# Altium PCB PCB.PcbDoc (part 2 of 4)
Units mm, origin at the board's own origin, x right, y up, seen from the top; angles counter-clockwise.
Board outline 133.1 x 64.1 mm, 6 copper layers (Top Layer, L02_GND1, L03_PWR1, L04_PWR2, L05_GND2, Bottom Layer), stack 2.464 mm thick; 271 components, 175 nets, 879 pads, 570 vias.
Unrouted connection lines stored in the file: 34.
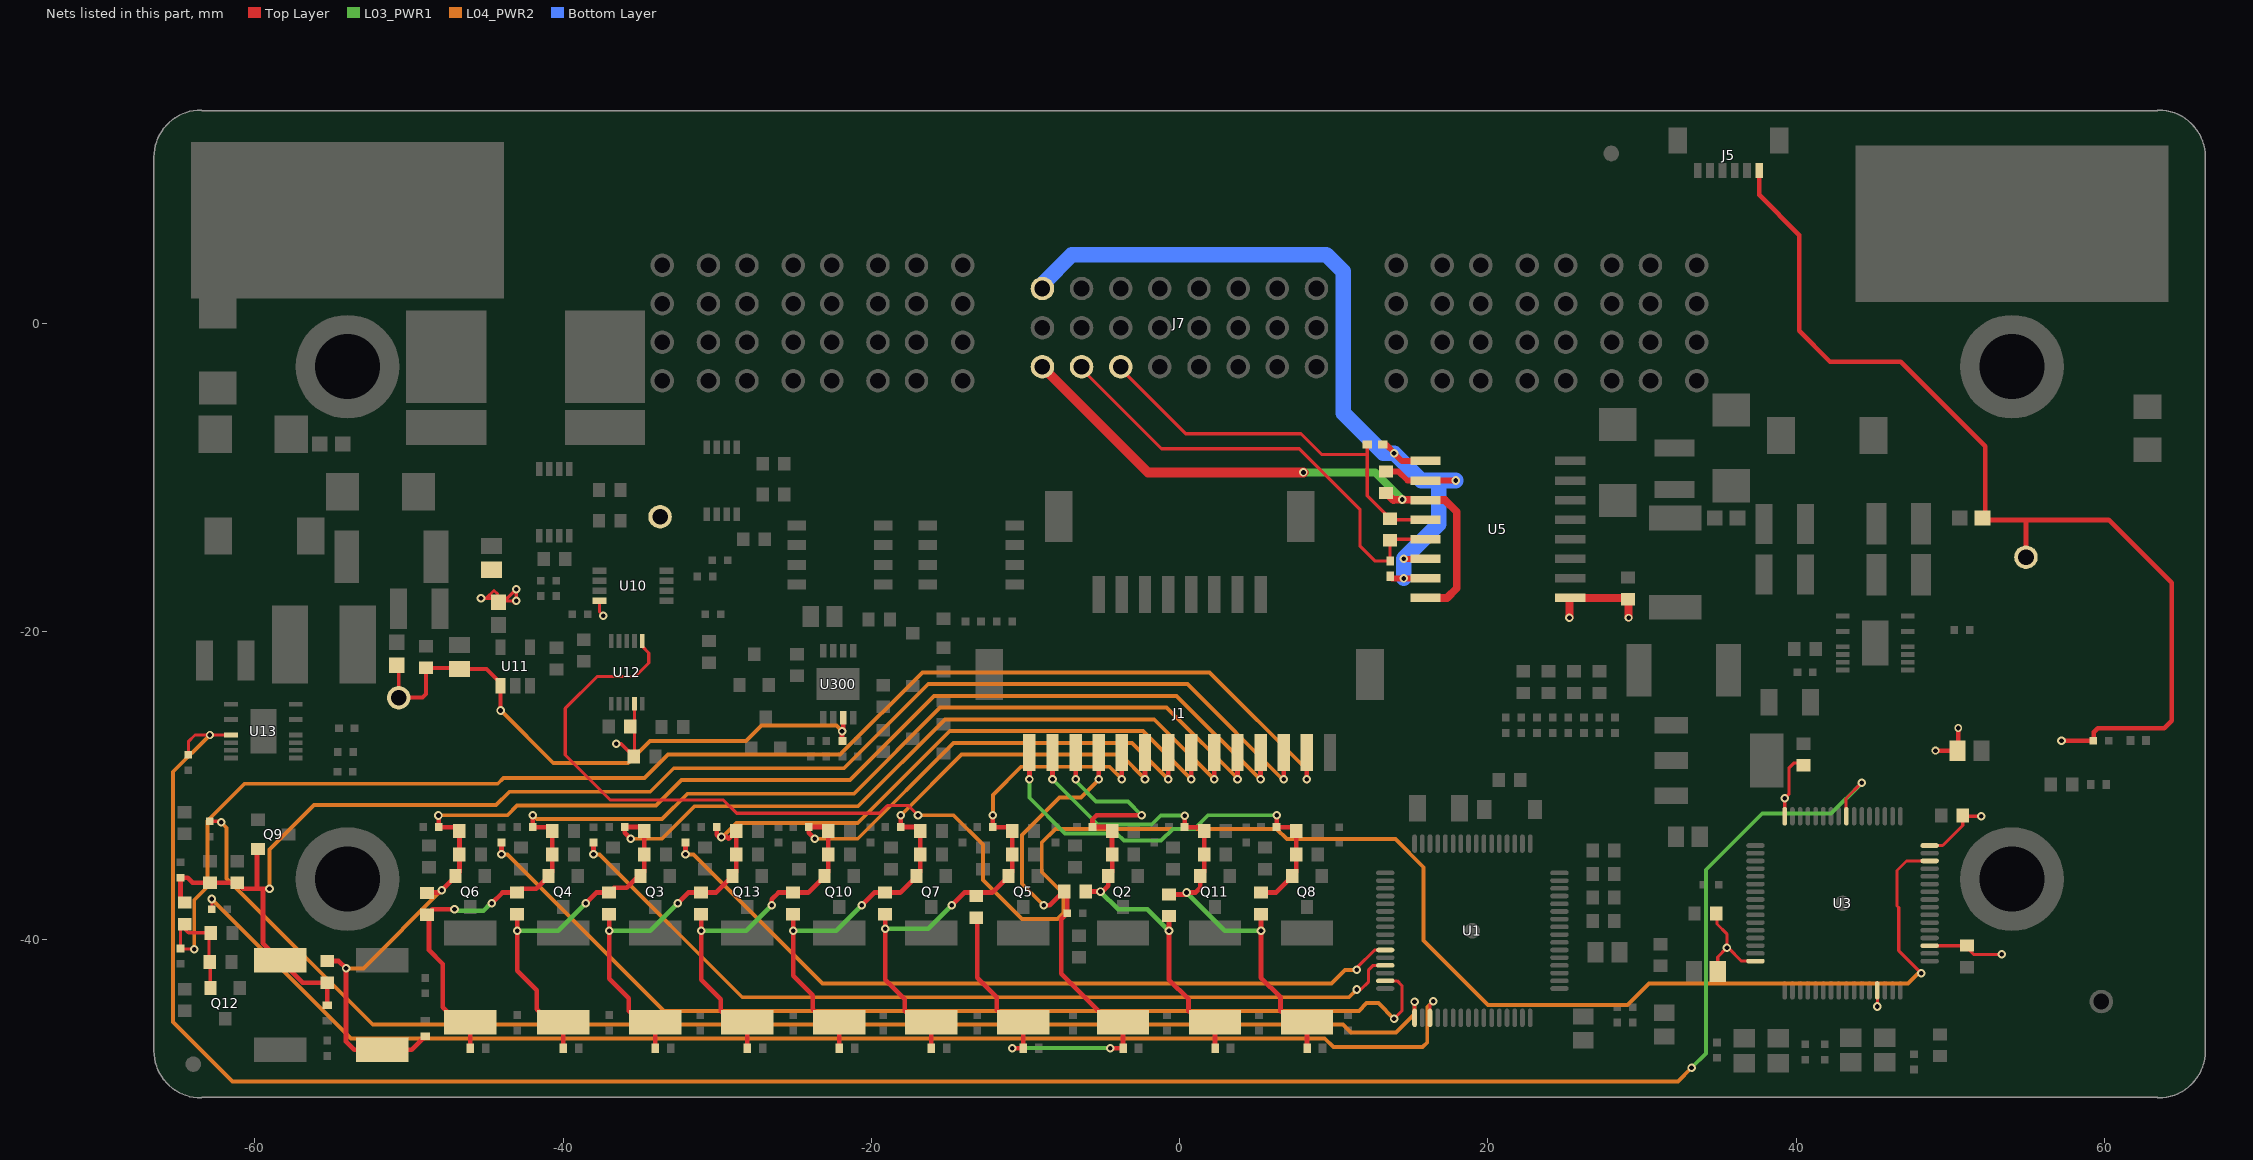
[diagram p6: the nets of this part, all layers, seen from the top]

## Part data (continued)
C301: library part CAP-Generic-0402, "CAP CER 4700PF 50V X7R 0402", Capacitance=4.7nF, Case/Package=0402, Case Code (Metric)=1005, Manufacturer=TDK, Manufacturer Part Number=CGA2B2X7R1H472K050BE, Max Operating Temperature=125°C, Min Operating Temperature=-55°C, Ratings=AEC-Q200, Supplier Part Number 1=445-173711-1-ND, Tolerance=10%, Voltage Rating=50V, Case Code (Imperial)=0402, Features="Soft Termination", Length=0.039inch, Mount="Surface Mount", Packaging="Tape and Reel", Pricing 1="1=0.22, 10=0.153, 100=0.072, 500=0.0505, 1000=0.04181, 2500=0.03892, 5000=0.0356 (USD)", Pricing 2="1=0.18, 10=0.07, 50=0.07, 100=0.048, 1000=0.034, 10000=0.024 (USD)", Stock 1=0, Stock 2=8705, Supplier 1=Digi-Key, Supplier 2=Mouser, Supplier Part Number 2=810-CGA2B2X7R1H472KB, Thickness=0.024inch, Width=0.02inch
C302: library part CAP-Generic-0603, "CAP CER 0.33UF 50V X7R 0805", Capacitance=330nF, Case/Package=0805, Dielectric=X7R, Dielectric Material=Ceramic, Manufacturer=KEMET, Manufacturer Part Number=C0805X334K5RACAUTO, Max Operating Temperature=125°C, Min Operating Temperature=-55°C, Supplier Part Number 1=399-16458-1-ND, Tolerance=10%, Voltage Rating (DC)=50V, Contact Plating=Matte,Tin, Depth=1.25mm, Length=2.1mm, Mount="Surface Mount", Packaging="Tape and Reel", Pricing 1="1=1.05, 10=0.795, 100=0.5685, 500=0.44016, 1000=0.37903 (USD)", Pricing 2="10000=0.354 (USD)", Stock 1=18140, Stock 2=4254, Supplier 1=Digi-Key, Supplier 2=Mouser, Supplier Part Number 2=80-C0805X334K5RAUTO, Termination=Wraparound
C303: library part CAP-Generic-0402, "CAP CER 3300PF 100V X7R 0603", Capacitance=3.3nF, Case/Package=0603, Case Code (Metric)=1608, Manufacturer=Murata, Manufacturer Part Number=GCJ188R72A332KA01D, Max Operating Temperature=125°C, Min Operating Temperature=-55°C, Package Quantity=1, Ratings=AEC-Q200, Supplier Part Number 1=490-5774-1-ND, Tolerance=10%, Voltage Rating=100V, Case Code (Imperial)=0603, ComponentLink1Description=http://www.murata.com/~/media/webrenewal/support/library/catalog/products/capacitor/mlcc/c03e.ashx?src-supplier=Digi-Key, ComponentLink1URL=http://www.murata.com/~/media/webrenewal/support/library/catalog/products/capacitor/mlcc/c03e.ashx?src-supplier=Digi-Key, ComponentLink2Description=http://psearch.en.murata.com/capacitor/product/GCJ188R72A332KA01%23.pdf?src-supplier=Digi-Key, ComponentLink2URL=http://psearch.en.murata.com/capacitor/product/GCJ188R72A332KA01%23.pdf?src-supplier=Digi-Key, Features="Soft Termination", Length=0.063inch, Mount="Surface Mount", Packaging="Tape and Reel", Pricing 1="1=0.29, 10=0.199, 100=0.101, 500=0.06908, 1000=0.06111 (USD)", Pricing 2="1=0.29, 10=0.199, 50=0.199, 100=0.101, 1000=0.062, 10000=0.047 (USD)", Stock 1=7162, Stock 2=6900, Supplier 1=Digi-Key, Supplier 2=Mouser, Supplier Part Number 2=81-GCJ188R72A332KA1D, Termination=SMD/SMT, Thickness=0.031inch, Voltage Rating (DC)=100V, Width=0.031inch
C309: library part CAP-GENERIC, "CAP CER 22UF 25V 10% X7R 2220", Capacitance=22uF, Case/Package=2220, Case Code (Metric)=5750, Dielectric=X7R, Dielectric Material=Ceramic, Manufacturer=KEMET, Manufacturer Part Number=C2220X226K3RACAUTO, Max Operating Temperature=125°C, Min Operating Temperature=-55°C, Package Quantity=1, Ratings=AEC-Q200, Supplier Part Number 1=399-7061-1-ND, Tolerance=10%, Voltage Rating=25V, Case Code (Imperial)=2220, ComponentLink1Description=http://www.mouser.com/ds/2/400/lcc_automotive_general_en-843974.pdf, ComponentLink1URL=http://www.mouser.com/ds/2/400/lcc_automotive_general_en-843974.pdf, ComponentLink2Description=http://www.farnell.com/datasheets/1839935.pdf, ComponentLink2URL=http://www.farnell.com/datasheets/1839935.pdf, Features="Soft Termination", Length=0.232inch, Mount="Surface Mount", Packaging="Cut Tape", Pricing 1="1=6.78, 10=6.101, 100=4.6099 (USD)", REACH SVHC="No SVHC", Stock 1=500, Supplier 1=Digi-Key, Thickness=0.1inch, Voltage Rating (DC)=25V, Width=0.197inch
D1: library part DIO-GENERIC, "DIODE ZENER 60V 500MW SOD123", Case/Package=SOD-123-2, Forward Voltage=900mV, Manufacturer="ON Semiconductor", Manufacturer Part Number=MMSZ5264BT1G, Max Operating Temperature=150°C, Max Power Dissipation=500mW, Max Reverse Leakage Current=100nA, Min Operating Temperature=-55°C, Package Quantity=1, Supplier Part Number 1=MMSZ5264BT1GOSCT-ND, Test Current=2.1mA, Tolerance=5%, Voltage Rating (DC)=60V, Zener Current=10mA, ComponentLink1Description=http://www.onsemi.com/pub/Collateral/MMSZ5221BT1-D.PDF, ComponentLink1URL=http://www.onsemi.com/pub/Collateral/MMSZ5221BT1-D.PDF, ComponentLink2Description=https://www.verical.com/server-webapp/html/getDatasheet?partID=107391, ComponentLink2URL=https://www.verical.com/server-webapp/html/getDatasheet?partID=107391, ComponentLink3Description=http://www.mouser.com/ds/2/308/MMSZ5221BT1-D-85810.pdf, ComponentLink3URL=http://www.mouser.com/ds/2/308/MMSZ5221BT1-D-85810.pdf, ComponentLink4Description=http://www.onsemi.com/pub_link/Collateral/MMSZ5221BT1-D.PDF, ComponentLink4URL=http://www.onsemi.com/pub_link/Collateral/MMSZ5221BT1-D.PDF, ComponentLink5Description=http://uk.rs-online.com/webdocs/1276/0900766b81276af2.pdf, ComponentLink5URL=http://uk.rs-online.com/webdocs/1276/0900766b81276af2.pdf, Contact Plating=Matte,Tin, custinv=Ansync, custprt=100-0500-000184, Element Configuration=Single, ESD Protection=Yes, Height=1.25mm, Impedance=170R, Lead Free="Lead Free", Length=2.84mm, Material=Plastic, Number of Pins=2, Option=AB, Packaging="Tape and Reel", Peak Reverse Current=100nA, Power Dissipation=500mW, Power Rating=500mW, Pricing 1="1=0.25, 10=0.201, 100=0.1067, 500=0.07016, 1000=0.04771 (USD)", Pricing 2="1=0.23, 10=0.156, 50=0.156, 100=0.065, 1000=0.045, 10000=0.03 (USD)", Radiation Hardening=No, Stock 1=0, Stock 2=694, Supplier 1=Digi-Key, Supplier 2=Mouser, Supplier Part Number 2=863-MMSZ5264BT1G, Voltage Tolerance=5%, Width=1.8mm, Working Voltage=60V, Zener Voltage=60V
D2 D3 D4 D5 D6 D7 D8 D9 D10 D11 D12 D13 D14: library part LED-GENERIC, custinv=Ansync, custprt=100-0500-000159, Option=AB
D15: library part LED0, "LED Uni-Color Red Chip LED 2-Pin 0402 T/R", Case/Package=0402, Case Code (Metric)=1006, Color=Red, Forward Voltage=2V, Lens Color=Colorless, Manufacturer=Rohm, Manufacturer Part Number=SML-P12U2TT86R, Supplier Part Number 1=846-1192-1-ND, Test Current=20mA, Case Code (Imperial)=0402, Dominant Wavelength=615nm, Height=0.25mm, Lead Free="Lead Free", Length=1mm, Lens Transparency=Clear, Luminous Intensity=70mcd, Mount="Surface Mount", Packaging="Cut Tape", Pricing 1="1=0.45, 10=0.327, 25=0.2504, 100=0.1634, 250=0.1198, 500=0.10164, 1000=0.08349, 2500=0.0726 (USD)", Pricing 2="1=0.37, 10=0.238, 50=0.238, 100=0.102, 1000=0.079, 10000=0.06 (USD)", Stock 1=9518, Stock 2=13361, Supplier 1=Digi-Key, Supplier 2=Mouser, Supplier Part Number 2=755-SML-P12U2TT86R, Width=0.6mm
D16 D17: library part SMBJ60A, "Diode TVS Single Uni-Directional 48V 600W 2-Pin DO-214AA", Breakdown Voltage=53.3V, Clamping Voltage=77.4V, Manufacturer 1="Taiwan Semiconductor", Max Operating Temperature=150°C, Max Surge Current=100A, Min Operating Temperature=-65°C, Operating Supply Voltage=48V, Package Quantity=3000, Peak Pulse Power=600W, Supplier Part Number 1=SMBJ48AFSCT-ND, Category="TVS Diodes", ComponentLink1Description=http://media.digikey.com/pdf/Data%20Sheets/Vishay%20Semiconductors/SMBJ5.0A_thru_188A.pdf?src-supplier=Digi-Key, ComponentLink1URL=http://media.digikey.com/pdf/Data%20Sheets/Vishay%20Semiconductors/SMBJ5.0A_thru_188A.pdf?src-supplier=Digi-Key, ComponentLink2Description=http://www.vishay.com/docs/88392/smbj.pdf?src-supplier=Digi-Key, ComponentLink2URL=http://www.vishay.com/docs/88392/smbj.pdf?src-supplier=Digi-Key, ComponentLink3Description=https://www.verical.com/server-webapp/html/getDatasheet?partID=84761&src-supplier=Verical, ComponentLink3URL=https://www.verical.com/server-webapp/html/getDatasheet?partID=84761&src-supplier=Verical, ComponentLink4Description=http://components.arrow.com/part/dataview/42825922S9422245N5680?src-supplier=Arrow, ComponentLink4URL=http://components.arrow.com/part/dataview/42825922S9422245N5680?src-supplier=Arrow, ComponentLink5Description=http://www.farnell.com/datasheets/2358777.pdf?src-supplier=Farnell, ComponentLink5URL=http://www.farnell.com/datasheets/2358777.pdf?src-supplier=Farnell, ComponentLink6Description=http://www.mouser.com/ds/2/395/SMBJ%20SERIES-231843.pdf?src-supplier=Mouser, ComponentLink6URL=http://www.mouser.com/ds/2/395/SMBJ%20SERIES-231843.pdf?src-supplier=Mouser, ComponentLink7Description=https://www.taiwansemi.com/products/datasheet/SMBJ%20SERIES_P1812.pdf?src-supplier=Digi-Key, ComponentLink7URL=https://www.taiwansemi.com/products/datasheet/SMBJ%20SERIES_P1812.pdf?src-supplier=Digi-Key, Height=2.44mm, Lead Free="Lead Free", Length=4.7mm, Manufacturer Part Number 1=SMBJ48A, Number of Channels=1, Number of Pins=2, Packaging="Tape and Reel", Polarity=Unidirectional, Power Rating=600W, Pricing 1="1=0.45000, 10=0.36300, 25=0.33200, 100=0.20860, 250=0.20624, 500=0.19312, 1000=0.13133 (USD)", REACH SVHC="No SVHC", RoHS=No, Stock 1=16504, Supplier 1=Digi-Key, Voltage Rating (DC)=48V, Width=3.94mm
D18: "ESD Suppressors / TVS Diodes 60Vr", Breakdown Voltage=66.7V, Case/Package=SMB, Clamping Voltage=96.8V, Leakage Current=1uA, Manufacturer="Vishay Semiconductors", Manufacturer Part Number=SMBJ60A-E3/52, Max Breakdown Voltage=73.7V, Max Operating Temperature=150°C, Max Power Dissipation=600W, Max Surge Current=6.2A, Min Operating Temperature=-55°C, Operating Supply Voltage=60V, Package Quantity=750, Supplier Part Number 1=625-SMBJ60A-E3, Test Current=1mA, ComponentLink1Description=http://media.digikey.com/pdf/Data%20Sheets/Vishay%20Semiconductors/SMBJ5.0A_thru_188A.pdf?src-supplier=Digi-Key, ComponentLink1URL=http://media.digikey.com/pdf/Data%20Sheets/Vishay%20Semiconductors/SMBJ5.0A_thru_188A.pdf?src-supplier=Digi-Key, ComponentLink2Description=http://www.vishay.com/docs/88392/smbj.pdf?src-supplier=Digi-Key, ComponentLink2URL=http://www.vishay.com/docs/88392/smbj.pdf?src-supplier=Digi-Key, ComponentLink3Description=https://www.verical.com/server-webapp/html/getDatasheet?partID=84761&src-supplier=Verical, ComponentLink3URL=https://www.verical.com/server-webapp/html/getDatasheet?partID=84761&src-supplier=Verical, ComponentLink4Description=http://components.arrow.com/part/dataview/42825922S9422245N5680?src-supplier=Arrow, ComponentLink4URL=http://components.arrow.com/part/dataview/42825922S9422245N5680?src-supplier=Arrow, Contact Plating=Matte,Tin, Direction=Unidirectional, Element Configuration=Single, ESD Protection=No, Height=2.44mm, Lead Free="Lead Free", Length=5.59mm, Max Reverse Leakage Current=1uA, Min Breakdown Voltage=66.7V, Mount="Surface Mount", Number of Channels=1, Number of Elements=1, Number of Pins=2, Packaging="Tape and Reel", Peak Pulse Current=6.2A, Peak Pulse Power=600W, Polarity=Unidirectional, Power Dissipation=600W, Pricing 1="1=0.52, 10=0.301, 50=0.301, 100=0.175, 1000=0.11, 10000=0.083 (USD)", Pricing 2="1=0.37, 10=0.296, 25=0.2712, 100=0.2018, 250=0.18284 (USD)", Radiation Hardening=No, Reverse Breakdown Voltage=66.7V, Reverse Standoff Voltage=60V, Stock 1=9885, Stock 2=2980, Supplier 1=Mouser, Supplier 2=Digi-Key, Supplier Part Number 2=SMBJ60A-E3/52GIDKR-ND, Termination=SMD/SMT, Width=3.94mm
D19 D20: library part "ESD BI-DIR TRIG 9VDC 0402_0", "TVS DIODE 9VWM 20VC 2X2SON", Breakdown Voltage=9.5V, Capacitance=10pF, Case/Package=0402, Clamping Voltage=20V, Leakage Current=100nA, Manufacturer="Texas Instruments", Max Operating Temperature=125°C, Min Breakdown Voltage=9V, Min Operating Temperature=-40°C, Package Quantity=1, Peak Pulse Current=4.5A, Peak Pulse Power=90W, Power Line Protection=No, Supplier Part Number 1=296-30405-1-ND, Test Current=1mA, ComponentLink1Description=http://www.ti.com/general/docs/lit/getliterature.tsp?genericPartNumber=TPD1E10B09&&fileType=pdf, ComponentLink1URL=http://www.ti.com/general/docs/lit/getliterature.tsp?genericPartNumber=TPD1E10B09&&fileType=pdf, ComponentLink2Description=http://www.ti.com/lit/ds/sllseb0b/sllseb0b.pdf, ComponentLink2URL=http://www.ti.com/lit/ds/sllseb0b/sllseb0b.pdf, ComponentLink3Description=http://www.ti.com/lit/ds/symlink/tpd1e10b09.pdf, ComponentLink3URL=http://www.ti.com/lit/ds/symlink/tpd1e10b09.pdf, Composition=Zener, Contact Plating=Gold, custinv=Ansync, custprt=100-0500-000170, Direction=Bidirectional, Element Configuration=Single, ESD Protection=Yes, Height=0.4mm, Lead Free="Lead Free", Length=1.1mm, Manufacturer Part Number=TPD1E10B09DPYR, Max Reverse Leakage Current=100nA, Number of Bidirectional Channels=1, Number of Channels=1, Number of Pins=2, Operating Supply Voltage=9V, Option=AB, Packaging="Tape and Reel", Pricing 1="1=0.45, 10=0.336, 100=0.2096, 500=0.1434, 1000=0.11031 (USD)", Radiation Hardening=No, REACH SVHC="No SVHC", Reverse Standoff Voltage=9V, Stock 1=89820, Supplier 1=Digi-Key, TYPE=Diode, Width=0.7mm, Working Voltage=9V
D21: "TVS DIODE, 600W, 60V, DO-214AA, FULL REEL; Product Range:TRANSZORB SMBJ Series; TVS Polarity:Unidirectional; Reverse Stand-Off Voltage Vrwm:60V; Diode Case Style:DO-214AA; No. of Pins:2Pins; Breakdown Voltage Min:66.7V ;RoHS Compliant: Yes", Breakdown Voltage=66.7V, Case/Package=SMB, Clamping Voltage=96.8V, Leakage Current=1uA, Manufacturer 1="Vishay Semiconductors", Manufacturer Part Number 1=SMBJ60A-E3/52, Max Breakdown Voltage=73.7V, Max Operating Temperature=150°C, Max Power Dissipation=600W, Max Surge Current=6.2A, Min Operating Temperature=-55°C, Operating Supply Voltage=60V, Package Quantity=750, Supplier Part Number 1=SMBJ60A-E3/52GICT-ND, Test Current=1mA, Category="TVS Diodes", ComponentLink1Description=http://media.digikey.com/pdf/Data%20Sheets/Vishay%20Semiconductors/SMBJ5.0A_thru_188A.pdf?src-supplier=Digi-Key, ComponentLink1URL=http://media.digikey.com/pdf/Data%20Sheets/Vishay%20Semiconductors/SMBJ5.0A_thru_188A.pdf?src-supplier=Digi-Key, ComponentLink2Description=http://www.vishay.com/docs/88392/smbj.pdf?src-supplier=Digi-Key, ComponentLink2URL=http://www.vishay.com/docs/88392/smbj.pdf?src-supplier=Digi-Key, ComponentLink3Description=https://www.verical.com/server-webapp/html/getDatasheet?partID=84761&src-supplier=Verical, ComponentLink3URL=https://www.verical.com/server-webapp/html/getDatasheet?partID=84761&src-supplier=Verical, ComponentLink4Description=http://components.arrow.com/part/dataview/42825922S9422245N5680?src-supplier=Arrow, ComponentLink4URL=http://components.arrow.com/part/dataview/42825922S9422245N5680?src-supplier=Arrow, ComponentLink5Description=https://datasheet.ciiva.com/15143/getdatasheetpartid-84761-15143331.pdf?src-supplier=Verical, ComponentLink5URL=https://datasheet.ciiva.com/15143/getdatasheetpartid-84761-15143331.pdf?src-supplier=Verical, ComponentLink6Description=https://datasheet.ciiva.com/4249/smbj50a-4249846.pdf?src-supplier=Arrow, ComponentLink6URL=https://datasheet.ciiva.com/4249/smbj50a-4249846.pdf?src-supplier=Arrow, ComponentLink7Description=https://datasheet.ciiva.com/330/smbj50a-330945.pdf?src-supplier=Digi-Key, ComponentLink7URL=https://datasheet.ciiva.com/330/smbj50a-330945.pdf?src-supplier=Digi-Key, ComponentLink8Description=https://datasheet.ciiva.com/330/smbj50a-330946.pdf?src-supplier=Digi-Key, ComponentLink8URL=https://datasheet.ciiva.com/330/smbj50a-330946.pdf?src-supplier=Digi-Key, ComponentLink9Description=https://datasheet.ciiva.com/330/smbj50a-330944.pdf?src-supplier=Digi-Key, ComponentLink9URL=https://datasheet.ciiva.com/330/smbj50a-330944.pdf?src-supplier=Digi-Key, Contact Plating=Tin,Matte, Direction=Unidirectional, Element Configuration=Single, ESD Protection=No, Height=2.44mm, Lead Free="Lead Free", Length=5.59mm, Max Reverse Leakage Current=1uA, Min Breakdown Voltage=66.7V, Mount="Surface Mount", Number of Channels=1, Number of Elements=1, Number of Pins=2, Packaging="Tape and Reel", Peak Pulse Current=6.2A, Peak Pulse Power=600W, Polarity=Unidirectional, Power Dissipation=600W, Pricing 1="1=0.47000, 10=0.35600, 25=0.32080, 100=0.16910, 250=0.16732 (USD)", Radiation Hardening=No, Reverse Breakdown Voltage=66.7V, Reverse Standoff Voltage=60V, RoHS=Yes, Stock 1=694, Supplier 1=Digi-Key, Termination=SMD/SMT, Width=3.94mm
D22: "TVS DIODE, 600W, 60V, DO-214AA, FULL REEL; Product Range:TRANSZORB SMBJ Series; TVS Polarity:Unidirectional; Reverse Stand-Off Voltage Vrwm:60V; Diode Case Style:DO-214AA; No. of Pins:2Pins; Breakdown Voltage Min:66.7V ;RoHS Compliant: Yes", Breakdown Voltage=66.7V, Case/Package=SMB, Clamping Voltage=96.8V, Leakage Current=1uA, Manufacturer="Vishay Semiconductors", Manufacturer Part Number=SMBJ60A-E3/52, Max Breakdown Voltage=73.7V, Max Operating Temperature=150°C, Max Power Dissipation=600W, Max Surge Current=6.2A, Min Operating Temperature=-55°C, Operating Supply Voltage=60V, Package Quantity=750, Supplier Part Number 1=625-SMBJ60A-E3, Test Current=1mA, Category="TVS Diodes", ComponentLink1Description=http://media.digikey.com/pdf/Data%20Sheets/Vishay%20Semiconductors/SMBJ5.0A_thru_188A.pdf?src-supplier=Digi-Key, ComponentLink1URL=http://media.digikey.com/pdf/Data%20Sheets/Vishay%20Semiconductors/SMBJ5.0A_thru_188A.pdf?src-supplier=Digi-Key, ComponentLink2Description=http://www.vishay.com/docs/88392/smbj.pdf?src-supplier=Digi-Key, ComponentLink2URL=http://www.vishay.com/docs/88392/smbj.pdf?src-supplier=Digi-Key, ComponentLink3Description=https://www.verical.com/server-webapp/html/getDatasheet?partID=84761&src-supplier=Verical, ComponentLink3URL=https://www.verical.com/server-webapp/html/getDatasheet?partID=84761&src-supplier=Verical, ComponentLink4Description=http://components.arrow.com/part/dataview/42825922S9422245N5680?src-supplier=Arrow, ComponentLink4URL=http://components.arrow.com/part/dataview/42825922S9422245N5680?src-supplier=Arrow, ComponentLink5Description=https://datasheet.ciiva.com/15143/getdatasheetpartid-84761-15143331.pdf?src-supplier=Verical, ComponentLink5URL=https://datasheet.ciiva.com/15143/getdatasheetpartid-84761-15143331.pdf?src-supplier=Verical, ComponentLink6Description=https://datasheet.ciiva.com/4249/smbj50a-4249846.pdf?src-supplier=Arrow, ComponentLink6URL=https://datasheet.ciiva.com/4249/smbj50a-4249846.pdf?src-supplier=Arrow, ComponentLink7Description=https://datasheet.ciiva.com/330/smbj50a-330945.pdf?src-supplier=Digi-Key, ComponentLink7URL=https://datasheet.ciiva.com/330/smbj50a-330945.pdf?src-supplier=Digi-Key, ComponentLink8Description=https://datasheet.ciiva.com/330/smbj50a-330946.pdf?src-supplier=Digi-Key, ComponentLink8URL=https://datasheet.ciiva.com/330/smbj50a-330946.pdf?src-supplier=Digi-Key, ComponentLink9Description=https://datasheet.ciiva.com/330/smbj50a-330944.pdf?src-supplier=Digi-Key, ComponentLink9URL=https://datasheet.ciiva.com/330/smbj50a-330944.pdf?src-supplier=Digi-Key, Contact Plating=Matte,Tin, Direction=Unidirectional, Element Configuration=Single, ESD Protection=No, Height=2.44mm, Lead Free="Lead Free", Length=5.59mm, Manufacturer 3="Vishay Semiconductors", Manufacturer Part Number 3=SMBJ60A-E3/52, Max Reverse Leakage Current=1uA, Min Breakdown Voltage=66.7V, Mount="Surface Mount", Number of Channels=1, Number of Elements=1, Number of Pins=2, Packaging="Tape and Reel", Peak Pulse Current=6.2A, Peak Pulse Power=600W, Polarity=Unidirectional, Power Dissipation=600W, Pricing 1="1=0.52, 10=0.301, 50=0.301, 100=0.175, 1000=0.11, 10000=0.083 (USD)", Pricing 2="1=0.37, 10=0.296, 25=0.2712, 100=0.2018, 250=0.18284 (USD)", Pricing 3="1=0.47000, 10=0.35600, 25=0.32080, 100=0.16910, 250=0.16732 (USD)", Radiation Hardening=No, Reverse Breakdown Voltage=66.7V, Reverse Standoff Voltage=60V, RoHS=Yes, Stock 1=9885, Stock 2=2980, Stock 3=694, Supplier 1=Mouser, Supplier 2=Digi-Key, Supplier 3=Digi-Key, Supplier Part Number 2=SMBJ60A-E3/52GIDKR-ND, Supplier Part Number 3=SMBJ60A-E3/52GICT-ND, Termination=SMD/SMT, Width=3.94mm
D100 D101 D102: library part DIO-GENERIC, "DIODE GEN PURP 250V 200MA SOT23", Case/Package=SOT-23, Forward Current=200mA, Forward Voltage=1.25V, Manufacturer=Vishay, Manufacturer Part Number=BAS21-HE3-08, Max Operating Temperature=150°C, Max Repetitive Reverse Voltage (Vrrm)=250V, Min Operating Temperature=-55°C, Package Quantity=3000, Peak Non-Repetitive Surge Current=2.5A, Supplier Part Number 1=BAS21-HE3-08GICT-ND, ComponentLink1Description=http://www.farnell.com/datasheets/2284536.pdf, ComponentLink1URL=http://www.farnell.com/datasheets/2284536.pdf, ComponentLink2Description=http://www.mouser.com/ds/2/149/BAS21-106636.pdf, ComponentLink2URL=http://www.mouser.com/ds/2/149/BAS21-106636.pdf, ComponentLink3Description=http://www.fairchildsemi.com/ds/BA/BAS21.pdf, ComponentLink3URL=http://www.fairchildsemi.com/ds/BA/BAS21.pdf, ComponentLink4Description=https://www.fairchildsemi.com/datasheets/BA/BAS21.pdf, ComponentLink4URL=https://www.fairchildsemi.com/datasheets/BA/BAS21.pdf, ComponentLink5Description=https://www.fairchildsemi.com/package-drawings/MA/MA03B.pdf, ComponentLink5URL=https://www.fairchildsemi.com/package-drawings/MA/MA03B.pdf, ComponentLink6Description=http://www.vishay.com/docs/85540/bas19.pdf?src-supplier=Avnet, ComponentLink6URL=http://www.vishay.com/docs/85540/bas19.pdf?src-supplier=Avnet, Contact Plating=Tin, Element Configuration=Single, Mount="Surface Mount", Number of Pins=3, Packaging="Tape and Reel", Pricing 1="1=0.25, 10=0.208, 100=0.1104, 500=0.0726, 1000=0.04937 (USD)", Pricing 2="1=0.25, 10=0.166, 50=0.166, 100=0.082, 1000=0.046, 10000=0.031 (USD)", Reverse Recovery Time=50ns, Stock 1=8900, Stock 2=13675, Supplier 1=Digi-Key, Supplier 2=Mouser, Supplier Part Number 2=78-BAS21-HE3-08, Weight=0.00031oz
D103: library part DIO-ZENER-GENERIC, "DIODE ZENER 12V 225MW SOT23-3", Breakdown Voltage=12.7V, Case/Package=SOT-23-3, Forward Voltage=900mV, Manufacturer="ON Semiconductor", Max Operating Temperature=150°C, Max Power Dissipation=225mW, Max Reverse Leakage Current=100nA, Min Operating Temperature=-65°C, Package Quantity=3000, Power Dissipation=300mW, Supplier Part Number 1=BZX84C12LT1GOSCT-ND, Test Current=5mA, Tolerance=5%, Voltage Rating (DC)=12V, Zener Current=10mA, ComponentLink1Description=https://www.verical.com/server-webapp/html/getDatasheet?partID=38645, ComponentLink1URL=https://www.verical.com/server-webapp/html/getDatasheet?partID=38645, ComponentLink2Description=http://www.onsemi.com/pub_link/Collateral/BZX84C2V4LT1-D.PDF, ComponentLink2URL=http://www.onsemi.com/pub_link/Collateral/BZX84C2V4LT1-D.PDF, ComponentLink3Description=http://www.farnell.com/datasheets/1874542.pdf, ComponentLink3URL=http://www.farnell.com/datasheets/1874542.pdf, ComponentLink4Description=https://www.onsemi.com/pub/Collateral/BZX84C2V4LT1-D.PDF, ComponentLink4URL=https://www.onsemi.com/pub/Collateral/BZX84C2V4LT1-D.PDF, ComponentLink5Description=http://www.jameco.com/Jameco/Products/ProdDS/2010827.pdf, ComponentLink5URL=http://www.jameco.com/Jameco/Products/ProdDS/2010827.pdf, ComponentLink6Description=https://www.alliedelec.com/m/d/89a0f5fa5faf07909887b6182710b562.pdf, ComponentLink6URL=https://www.alliedelec.com/m/d/89a0f5fa5faf07909887b6182710b562.pdf, Contact Plating=Matte,Tin, custinv=Ansync, custprt=100-0500-000065, Element Configuration=Single, ESD Protection=Yes, Halogen Free="Halogen Free", Height=0.94mm, Impedance=25R, Lead Free="Lead Free", Length=2.9mm, Manufacturer Part Number=BZX84C12LT1G, Material=Plastic, Number of Pins=3, Option=AB, Packaging="Tape and Reel", Peak Reverse Current=100nA, Power Rating=225mW, Pricing 1="1=0.15, 10=0.135, 100=0.0735, 500=0.04522, 1000=0.03084 (USD)", Pricing 2="1=0.14, 10=0.123, 50=0.123, 100=0.044, 1000=0.029, 10000=0.019 (USD)", Radiation Hardening=No, REACH SVHC="No SVHC", Stock 1=0, Stock 2=5126, Supplier 1=Digi-Key, Supplier 2=Mouser, Supplier Part Number 2=863-BZX84C12LT1G, Voltage Tolerance=5%, Width=1.3mm, Working Voltage=12V, Zener Voltage=12V
J1: library part "Header 14", "CONN RCPT 14POS 0.059 TIN SMD", Color=Beige, Current Rating=2A, Manufacturer=Molex, Manufacturer Part Number=502584-1460, Package Quantity=900, Supplier Part Number 1=WM20814CT-ND, Voltage Rating=100V, ComponentLink1Description=http://www.mouser.com/ds/2/276/5025841460_PCB_RECEPTACLES-179505.pdf, ComponentLink1URL=http://www.mouser.com/ds/2/276/5025841460_PCB_RECEPTACLES-179505.pdf, ComponentLink2Description=http://www.molex.com/pdm_docs/sd/5025841460_sd.pdf, ComponentLink2URL=http://www.molex.com/pdm_docs/sd/5025841460_sd.pdf, ComponentLink3Description=http://www.molex.com/webdocs/datasheets/pdf/en-us/5025841460_PCB_RECEPTACLES.pdf, ComponentLink3URL=http://www.molex.com/webdocs/datasheets/pdf/en-us/5025841460_PCB_RECEPTACLES.pdf, ComponentLink4Description=http://www.mouser.com/ds/2/276/5025841460_PCB_RECEPTACLES-179505.pdf?src-supplier=Mouser, ComponentLink4URL=http://www.mouser.com/ds/2/276/5025841460_PCB_RECEPTACLES-179505.pdf?src-supplier=Mouser, ComponentLink5Description=http://www.molex.com/pdm_docs/sd/5025841460_sd.pdf?src-supplier=Digi-Key, ComponentLink5URL=http://www.molex.com/pdm_docs/sd/5025841460_sd.pdf?src-supplier=Digi-Key, ComponentLink6Description=http://www.molex.com/webdocs/datasheets/pdf/en-us/5025841460_PCB_RECEPTACLES.pdf?src-supplier=Avnet, ComponentLink6URL=http://www.molex.com/webdocs/datasheets/pdf/en-us/5025841460_PCB_RECEPTACLES.pdf?src-supplier=Avnet, Connector Type=Forked,Receptacle, Contact Gender=Female, Contact Plating=Tin, Fastening Type=Latch, Gender=Female, Glow Wire Compliant=Non-compliant, Mount="Surface Mount", Number of Circuits=14, Number of Contacts=14, Number of Positions=14, Number of Rows=1, Orientation=Vertical, Packaging="Tape and Reel", Pitch=1.5mm, Pricing 1="1=2.58, 10=2.341, 100=2.0064 (USD)", Pricing 2="1=1.96, 10=1.75, 50=1.75, 100=1.52, 1000=1.09, 10000=0.96 (USD)", Radiation Hardening=No, REACH SVHC="No SVHC", Stock 1=900, Stock 2=5330, Supplier 1=Digikey, Supplier 2=Mouser, Supplier Part Number 2=538-502584-1460, Termination=Solder
J4: library part "Header 8", "CONN RCPT 8POS 0.059 TIN SMD", Color=Beige, Current Rating=2A, Manufacturer=Molex, Manufacturer Part Number=502584-0860, Max Operating Temperature=85°C, Min Operating Temperature=-25°C, Package Quantity=900, Supplier Part Number 1=WM14465CT-ND, Voltage Rating=100V, ComponentLink1Description=http://www.onlinecomponents.com/productFiles/mf-MOL/625135025840860_pcb_receptacles.pdf?src-supplier=Onlinecomponents.com, ComponentLink1URL=http://www.onlinecomponents.com/productFiles/mf-MOL/625135025840860_pcb_receptacles.pdf?src-supplier=Onlinecomponents.com, ComponentLink2Description=http://www.onlinecomponents.com/productFiles/mf-MOL/143515025840860_pcb_receptacles.pdf?src-supplier=Onlinecomponents.com, ComponentLink2URL=http://www.onlinecomponents.com/productFiles/mf-MOL/143515025840860_pcb_receptacles.pdf?src-supplier=Onlinecomponents.com, ComponentLink3Description=http://www.mouser.com/ds/2/276/5025840860_PCB_RECEPTACLES-179325.pdf?src-supplier=Mouser, ComponentLink3URL=http://www.mouser.com/ds/2/276/5025840860_PCB_RECEPTACLES-179325.pdf?src-supplier=Mouser, ComponentLink4Description=http://www.molex.com/webdocs/datasheets/pdf/en-us/5025840860_PCB_RECEPTACLES.pdf?src-supplier=Avnet, ComponentLink4URL=http://www.molex.com/webdocs/datasheets/pdf/en-us/5025840860_PCB_RECEPTACLES.pdf?src-supplier=Avnet, ComponentLink5Description=http://www.molex.com/pdm_docs/sd/5025840860_sd.pdf?src-supplier=Digi-Key, ComponentLink5URL=http://www.molex.com/pdm_docs/sd/5025840860_sd.pdf?src-supplier=Digi-Key, Connector Type="Center Strip Contact,Receptacle", Contact Gender=Female, Contact Material="Copper Alloy", Contact Plating=Tin, Depth=6.35mm, Fastening Type=Latch, Gender=Female, Glow Wire Compliant=Non-compliant, Housing Color=Beige, Housing Material=Thermoplastic, Length=16.3mm, Mount="Surface Mount", Number of Circuits=8, Number of Contacts=8, Number of Positions=8, Number of Rows=1, Orientation=Vertical, Packaging="Tape and Reel", Pitch=1.5mm, Pricing 1="1=1.52, 10=1.382, 100=1.1846 (USD)", Radiation Hardening=No, REACH SVHC="No SVHC", Stock 1=1932, Supplier 1=Digi-Key, Termination=Solder
J5: library part CONN-GENERIC-1X6, "Headers & Wire Housings 6P SR UNSHRD HRD TIN OVER NI", Colour=Natural, Manufacturer=JST, Supplier Part Number 1=SM06B-SURS-TF(LF)(SN)-ND, ComponentLink1Description=http://www.jst-mfg.com/product/pdf/eng/eSUR.pdf, ComponentLink1URL=http://www.jst-mfg.com/product/pdf/eng/eSUR.pdf, Connector Type="Outer Shroud Contact", Contact Plating=Tin, custinv=Ansync, custprt=100-0410-000212, Manufacturer Part Number=SM06B-SURS-TF(LF)(SN), Mount="Surface Mount", Number of Positions=6, Number of Rows=1, Option=A, Packaging="Tape and Reel", Pitch=0.031inch, Pricing 1="3500=0.43193 (USD)", Stock 1=0, Supplier 1=Digi-Key, Termination=Solder